# Altium PCB PCB-MB202-00.PcbDoc (part 1 of 7)
Units mm, origin at the board's own origin, x right, y up, seen from the top; angles counter-clockwise.
Board outline 300.6 x 146 mm, 2 copper layers (Top Layer, Bottom Layer); 493 components, 371 nets, 1609 pads, 6249 vias.
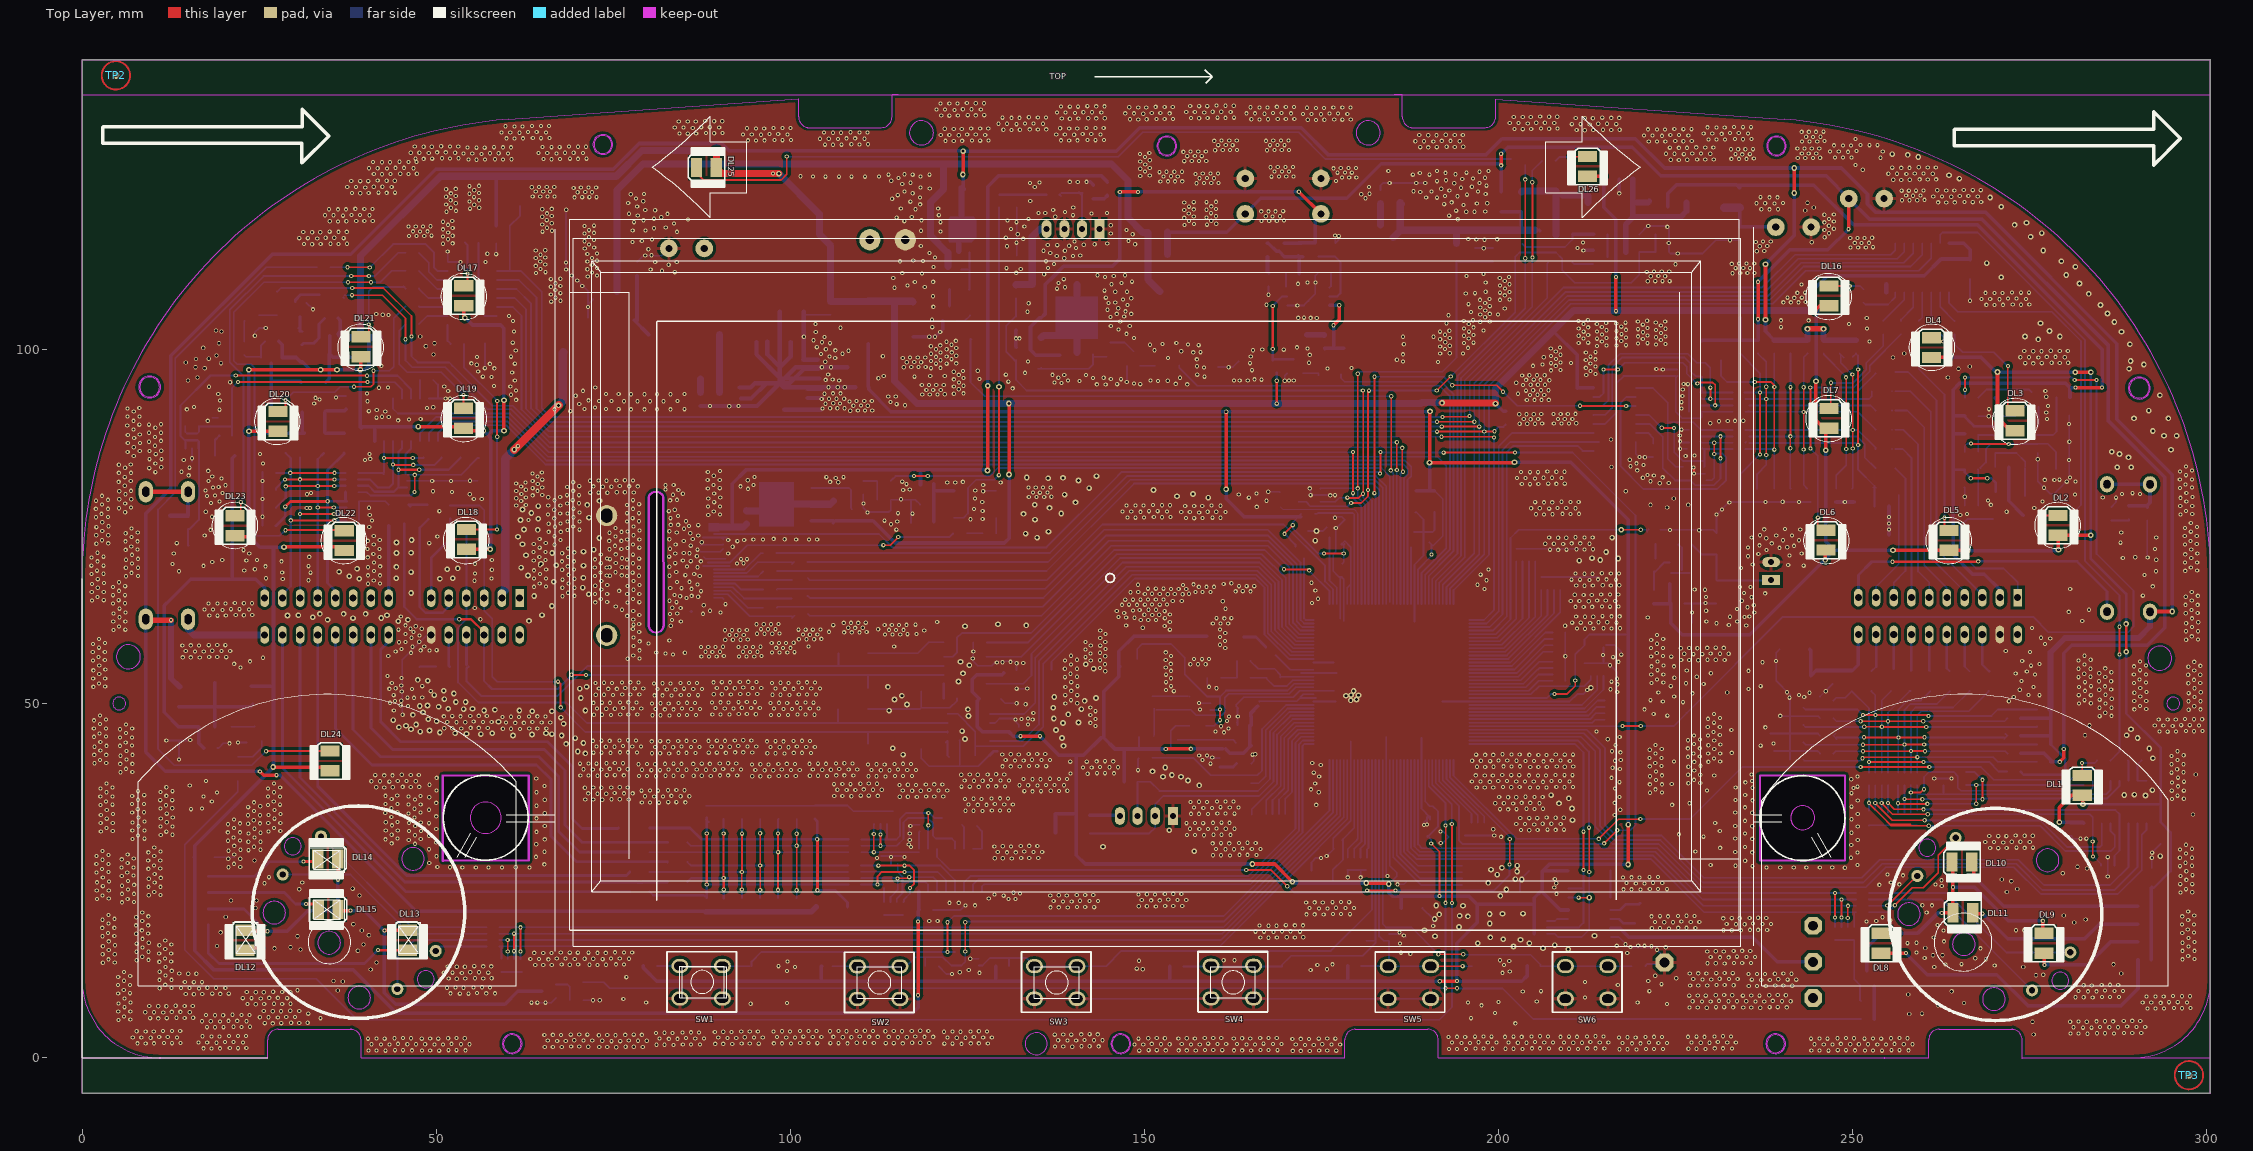
[diagram p0: Top Layer view]
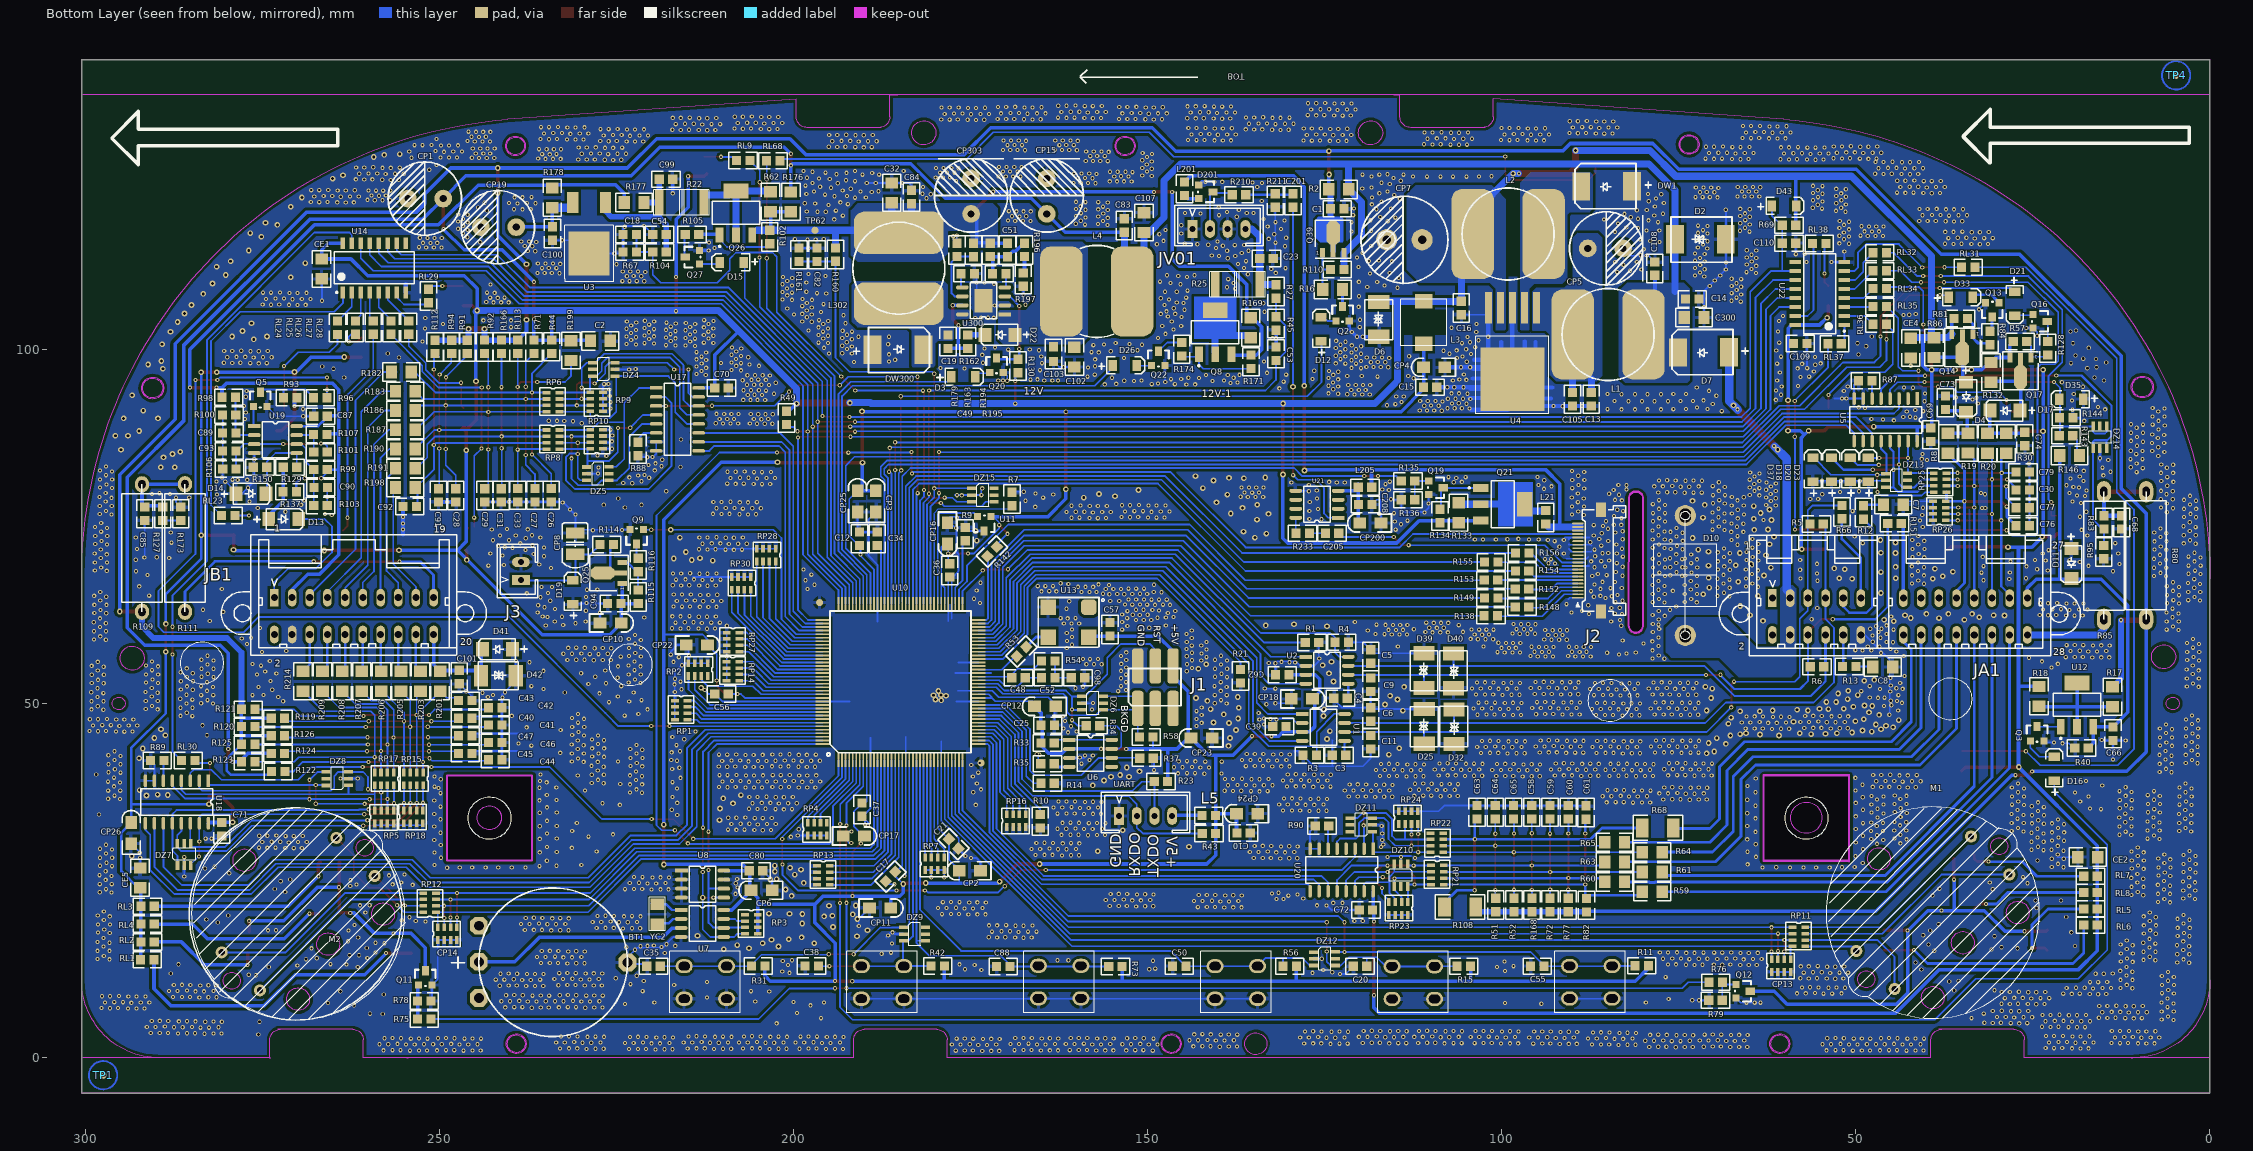
[diagram p1: Bottom Layer view, seen from below]

## Layer stack, top to bottom
Top Layer: signal copper 0.0356
Dielectric: dielectric 0.32, FR-4, Dk 4.8
Bottom Layer: signal copper 0.0356

## Board outline
0,-5 0,141 300.596,141 300.6,140.995 300.6,-5 0,-5
cut-out: 236.974,27.868 236.974,39.863 248.974,39.863 248.974,27.863
cut-out: 241.304,33.913 ccw(c243.004,33.913) 243.004,32.213 ccw(c243.004,33.913) 244.704,33.913 ccw(c243.004,33.913) 243.004,35.613 ccw(c243.004,33.913)
cut-out: 50.862,27.853 50.862,39.863 cw(c50.989,39.863) 50.996,39.99 cw(c51.004,39.863) 51.004,39.99 63.004,39.99 cw(c63.004,39.863) 63.082,39.964 cw(c63.019,39.853) 63.146,39.853 63.146,27.903 cw(c63.019,27.903) 63.129,27.839 cw(c63.004,27.863) 63.004,27.736 51.038,27.736 cw(c50.989,27.853)
cut-out: 79.932,61.123 79.932,79.033 cw(c80.059,79.033) 79.942,79.082 cw(c81.059,78.933) 82.176,79.083 cw(c82.059,79.033) 82.187,79.033 82.207,61.033 cw(c82.079,61.033) 82.207,61.033 cw(c82.079,61.033) 82.193,60.975 cw(c81.07,61.092) 79.942,61.073 cw(c80.059,61.123)

## Design rules (kind name [scope] priority, off if disabled: settings)
Clearance [All] p1: gap=0.25
HoleSize [All] p1: absolutevalues=TRUE maxlimit=5 minlimit=0.254 maxpercent=80.000 minpercent=20.000
PlaneConnect [All] p1: planeconnectstyle=Direct reliefexpansion=0.508 reliefentries=4 reliefconductorwidth=0.254 reliefairgap=0.254
PolygonConnect PolygonConnect_1 [InComponent('U300','DW300','DW1','U4','JA1','JB1','CP7','U3','J1','J2','U9','D8','D10')OR InNet('OUT1') OR InNet('OUT2')OR InNet('+B')] p1: connectstyle=Direct reliefconductorwidth=0.254 reliefentries=4 polygonreliefangle="90 Angle"
PolygonConnect VIA [IsVia] p2: connectstyle=Direct reliefconductorwidth=0.4 reliefentries=4 polygonreliefangle="90 Angle"
PolygonConnect [All] p3: connectstyle=Relief reliefconductorwidth=0.5 reliefentries=4 polygonreliefangle="90 Angle"
RoutingVias [All] p1: holewidth=0.3 width=0.6 viastyle="Through Hole" minholewidth=0.3 minwidth=0.6 maxholewidth=0.6 maxwidth=1
SilkscreenOverComponentPads [IsPad] p1: minsilkscreentomaskgap=0.254
SolderMaskExpansion [All] p1: expansion=0.102
TestPointUsage [All] p1 off: valid=0 allowmultiple=FALSE
Testpoint [(IsPad And (OnTopLayer Or OnBottomLayer))] p1: side=3 testpointundercomponent=TRUE minsize=1.016 maxsize=2.54 preferedsize=1.524 minholesize=0 maxholesize=1.016 preferedholesize=0.813 testpointgrid=0.025 style=297 order=0-112345678
Width [All] p1: maxlimit=3 minlimit=0.1 preferedwidth=0.2
21 further rules are at their usual default settings.

## Classes and differential pairs
component class "U_01 MCU": BT1 C3 C4 C5 C6 C7 C8 C9 C10 C11 C12 C17 C21 C25 C34 C36 C37 C39 C48 C52 C56 C57 C62 C80 C98 C201 C205 C208 CP2 CP3 CP6 CP11 CP12 CP13 CP14 CP16 CP17 CP18 CP22 CP23 CP24 CP25 CP200 D25 D32 D39 D40 D201 DZ6 J1 J2 JV01 L5 L201 L205 R1 R3 R4 R5 R6 R7 R9 R10 R12 R13 R14 R21 R23 R33 R34 R35 R37 R43 R53 R54 R58 R138 R142 R148 R149 R152 R153 R154 R155 R156 R210 R211 R233 RP1 RP2 RP3 RP4 RP7 RP11 RP12 RP13 RP14 RP16 RP27 RP28 RP30 RP? TP141 U1 U2 U6 U7 U8 U10 U11 U13 U21 UART YC2
component class "U_02 TFT&LED": C2 C13 C14 C15 C16 C18 C19 C23 C32 C49 C51 C53 C54 C82 C83 C84 C99 C100 C102 C103 C104 C105 C106 C107 C108 C109 C110 C300 CE1 CE2 CE3 CE4 CE5 CP1 CP4 CP5 CP7 CP15 CP19 CP303 D2 D3 D6 D7 D10 D15 D22 D26 D43 DL1 DL2 DL3 DL4 DL5 DL6 DL7 DL8 DL9 DL10 DL11 DL12 DL13 DL14 DL15 DL16 DL17 DL18 DL19 DL20 DL21 DL22 DL23 DL24 DL25 DL26 DW1 DW8 DW300 DZ15 L1 L2 L3 L4 L21 L302 Q8 Q11 Q12 Q19 Q20 Q21 Q22 Q26 Q27 R22 R25 R27 R45 R49 R62 R67 R69 R75 R76 R78 R79 R102 R104 R105 R130 R133 R134 R135 R136 R160 R161 R162 R163 R169 R171 R174 R176 R177 R178 R179 R194 R195 R196 R197 RL1 RL2 RL3 RL4 RL5 RL6 RL7 RL8 RL9 RL23 RL24 RL25 RL26 RL27 RL28 RL29 RL30 RL31 RL32 RL33 RL34 RL35 RL36 RL37 RL38 RL68 TP1 TP2 TP3 TP4 TP62 U3 U4 U14 U22 U300
component class "U_03 METER&PWM&KEY": C20 C35 C38 C50 C55 C66 C87 C88 C89 C90 C93 C94 CP8 CP10 D11 D13 D14 D16 D19 D35 DZ9 DZ12 J3 M1 M2 Q3 Q5 Q9 Q25 R11 R15 R17 R18 R31 R40 R42 R56 R73 R93 R96 R98 R99 R100 R101 R103 R106 R107 R114 R115 R116 R129 R137 R143 R144 R146 R150 SW1 SW2 SW3 SW4 SW5 SW6 U12 U19
component class "U_04 SWITCH": C1 C26 C27 C28 C29 C30 C31 C33 C40 C41 C42 C43 C44 C45 C46 C47 C58 C59 C60 C61 C63 C64 C65 C68 C69 C70 C71 C72 C73 C74 C76 C77 C79 C85 C91 C92 C101 CP26 D4 D12 D17 D18 D20 D21 D23 D33 D37 D41 D42 DZ4 DZ5 DZ7 DZ8 DZ10 DZ11 DZ13 DZ14 JA1 JB1 Q2 Q13 Q14 Q16 Q17 Q39 R2 R8 R16 R19 R20 R30 R44 R51 R52 R57 R59 R60 R61 R63 R64 R65 R66 R68 R71 R72 R77 R80 R81 R82 R83 R84 R85 R86 R87 R88 R89 R90 R91 R92 R94 R95 R108 R109 R110 R111 R112 R113 R119 R120 R121 R122 R123 R124 R125 R126 R127 R128 R132 R151 R166 R168 R173 R182 R183 R186 R187 R190 R191 R198 R199 R201 R203 R205 R206 R207 R208 R209 R214 RP5 RP6 RP8 RP9 RP10 RP15 RP17 RP18 RP21 RP22 RP23 RP24 RP25 RP26 U5 U17 U18 U20

## Components (designator, comment, footprint, x,y, rotation, side; value= is the part's Value field where it differs from the comment)
BT1 "" "Battery 3" 244.488,13.564 r180 bottom locked
C1 "104/50V" CR0805#1 124.206,119.916 r180 bottom
C2 "0.22uF/100V" CR1206 225.921,101.27 r0 bottom
C3 "47/50V" CR0805#1 122.044,42.743 r0 bottom
C4 "47/50V" CR0805#1 121.831,50.8 r0 bottom
C5 "47/50V" CR0805#1 118.514,57.648 r270 bottom
C6 "47/50V" CR0805#1 118.529,49.454 r270 bottom
C7 "684/50V" CR1206 46.114,78.13 r180 bottom
C8 "684/50V" CR1206 47.613,55.194 r180 bottom
C9 "47/50V" CR0805#1 118.529,51.74 r90 bottom
C10 "104/50V" CR0805#1 137.427,31.775 r180 bottom
C11 "47/50V" CR0805#1 118.529,43.612 r90 bottom
C12 "104/50V" CR0805#1 190.727,72.363 r90 bottom
C13 "0.01uF/100V" CR0805#1 87.364,92.075 r90 bottom
C14 "0.01uF/100V" CR0805#1 72.174,107.163 r0 bottom
C15 "104/50V" CR0805#1 111.087,94.717 r180 bottom
C16 "104/50V" CR0805#1 105.728,104.953 r90 bottom
C17 "104/50V" CR0805#1 185.687,26.289 r315 bottom
C18 "0.1uF/50V" CR0805#1 224.119,116.283 r180 bottom
C19 "0.1uF/50V" CR0805#1 178.219,102.108 r270 bottom
C20 "102/50V" CR0805#1 120.993,12.929 r180 bottom
C21 "104/50V" CR0805#1 176.746,29.566 r45 bottom
C23 "0.1uF/50V" CR0805#1 134.201,112.903 r180 bottom
C25 "104/50V" CR0805#1 165.097,46.983 r180 bottom
C26 "0.01uF/100V" CR0805#1 234.247,80.416 r270 bottom
C27 "0.01uF/100V" CR0805#1 236.57,80.416 r270 bottom
C28 "0.01uF/100V" CR0805#1 247.739,80.391 r270 bottom
C29 "0.01uF/100V" CR0805#1 243.653,80.393 r270 bottom
C30 "0.01uF/100V" CR0805#1 27.369,80.222 r180 bottom
C31 "0.01uF/100V" CR0805#1 241.33,80.393 r270 bottom
C32 "0.22uF/100V" CR1206 186.17,123.571 r270 bottom
C33 "0.01uF/100V" CR0805#1 239.002,80.416 r270 bottom
C34 "104/50V" CR0805#1 188.217,72.363 r90 bottom
C35 "102/50V" CR0805#1 220.764,12.954 r180 bottom
C36 "104/50V" CR0805#1 177.965,69.799 r270 bottom
C37 "104/50V" CR0805#1 190.361,36.017 r270 bottom
C38 "102/50V" CR0805#1 196.533,12.979 r0 bottom
C39 "104/50V" CR0805#1 132.372,46.812 r180 bottom
C40 "0.01uF/100V" CR0805#1 247.358,47.981 r180 bottom
C41 "0.01uF/100V" CR0805#1 243.116,47.007 r180 bottom
C42 "0.01uF/100V" CR0805#1 243.116,49.454 r180 bottom
C43 "0.01uF/100V" CR0805#1 247.358,50.47 r180 bottom
C44 "0.01uF/100V" CR0805#1 243.116,42.113 r180 bottom
C45 "0.01uF/100V" CR0805#1 247.358,43.002 r180 bottom
C46 "0.01uF/100V" CR0805#1 243.116,44.56 r180 bottom
C47 "0.01uF/100V" CR0805#1 247.358,45.491 r180 bottom
C48 "102/50V/NC" CR0805#1 169.217,53.693 r180 bottom
C49 "0.1uF/50V" CR0805#1 174.481,110.754 r0 bottom
C50 "102/50V" CR0805#1 146.52,12.954 r180 bottom
C51 "100pF/50V" CR0805#1 169.812,113.157 r90 bottom
C52 "104/50V" CR0805#1 165.017,53.693 r180 bottom
C53 "0.1uF/50V" CR0805#1 131.915,100.406 r270 bottom
C54 "0.1uF/50V" CR0805#1 218.029,116.283 r0 bottom
C55 "102/50V" CR0805#1 95.949,12.954 r180 bottom
C56 "104/50V" CR0805#1 209.258,51.384 r0 bottom
C57 "104/50V" CR0805#1 155.359,59.573 r90 bottom
C58 "0.01uF/100V" CR0805#1 95.767,33.731 r90 bottom
C59 "0.01uF/100V" CR0805#1 93.19,33.731 r90 bottom
C60 "0.01uF/100V" CR0805#1 90.612,33.731 r90 bottom
C61 "0.01uF/100V" CR0805#1 88.126,33.706 r90 bottom
C62 "0.1uF/50V" CR0805#1 130.061,54.102 r0 bottom
C63 "0.01uF/100V" CR0805#1 103.5,33.731 r90 bottom
C64 "0.01uF/100V" CR0805#1 100.922,33.731 r90 bottom
C65 "0.01uF/100V" CR0805#1 98.345,33.731 r90 bottom
C66 "0.01uF/100V" CR0805#1 13.678,46.736 r270 bottom
C68 "0.01uF/100V" CR0805#1 12.459,76.581 r270 bottom
C69 "104/50V" CR0805#1 39.434,87.046 r90 bottom
C70 "104/50V" CR0805#1 209.258,94.59 r0 bottom
C71 "104/50V" CR0805#1 280.785,31.344 r90 bottom
C72 "104/50V" CR0805#1 120.155,20.904 r180 bottom
C73 "0.01uF/100V" CR0805#1 37.351,93.472 r270 bottom
C74 "0.01uF/100V" CR0805#1 26.15,88.367 r270 bottom
C76 "0.01uF/100V" CR0805#1 27.369,75.159 r180 bottom
C77 "0.01uF/100V" CR0805#1 27.369,77.69 r180 bottom
C79 "0.01uF/100V" CR0805#1 27.369,82.753 r180 bottom
C80 "104/50V" CR0805#1 206.292,26.415 r180 bottom
C82 "0.1uF/50V" CR0805#1 196.711,114.376 r270 bottom
C83 "0.01uF/100V" CR0805#1 153.327,118.516 r270 bottom
C84 "0.1uF/50V" CR0805#1 183.376,122.53 r270 bottom
C85 "0.01uF/100V" CR0805#1 291.681,77.8 r270 bottom
C87 "104" CR0805#1 267.805,90.627 r180 bottom
C88 "102/50V" CR0805#1 171.361,12.903 r180 bottom
C89 "103/50V" CR0805#1 278.789,88.265 r0 bottom
C90 "103/50V" CR0805#1 267.759,80.555 r180 bottom
C91 "0.01uF/100V" CR0805#1 250.203,80.391 r270 bottom
C92 "0.01uF/100V" CR0805#1 253.302,77.876 r0 bottom
C93 "0.022uF/50V" CR0805#1 280.699,85.725 r180 bottom
C94 "104/50V" CR0805#1 226.302,64.186 r180 bottom
C98 "104/50V/NC" CR0805#1 160.817,53.693 r180 bottom
C99 "0.1uF/50V/NC" CR0805#1 217.107,124.104 r0 bottom
C100 "0.1uF/50V/NC" CR0805#1 234.099,117.373 r270 bottom
C101 "0.01uF/100V" CR0805#1 247.257,52.832 r90 bottom
C102 "0.22uF/100V" CR1206 160.389,97.587 r90 bottom
C103 "0.01uF/100V" CR0805#2 163.31,98.349 r90 bottom
C105 "0.01uF/100V" CR0805#1 90.031,92.075 r90 bottom
C107 "0.22uF/100V" CR1206 150.559,119.38 r270 bottom
C108 "0.01uF/100V" CR0805#1 78.397,112.42 r270 bottom
C109 "104/50V" CR0805#1 56.909,100.889 r0 bottom
C110 "104/50V" CR0805#1 60.389,115.062 r180 bottom
C201 "0.1uF/50V" CR0805#1 129.502,122.047 r270 bottom
C205 "0.1uF/50V" CR0805#1 124.93,74.092 r180 bottom
C208 "0.1uF/50V" CR0805#1 120.257,78.156 r180 bottom
C300 "0.22uF/100V" CR1206 71.463,104.572 r0 bottom
CE1 "10uF/50V" CR1206 266.688,112.827 r270 bottom
CE2 "10uF/50V" CR1206 15.863,28.346 r0 bottom
CE4 "10uF/50V" CR1206 42.253,101.651 r270 bottom
CE5 "10uF/50V" CR1206 292.316,24.028 r90 bottom
CP1 "100uF/50V" RB10 252.54,121.412 r0 bottom
CP2 "10u/16V" CE1206 176.645,26.441 r180 bottom
CP3 "10u/16V" CE1206 188.417,80.103 r270 bottom
CP4 "10u/16V" CE1206 111.062,97.536 r180 bottom
CP5 "100uF/50V" RB5-1 87.872,114.325 r180 bottom
CP6 "10u/16V" CE1206 206.058,23.673 r180 bottom
CP7 "2200u/16V" RB12.5 111.316,115.519 r0 bottom
CP8 "47u/25V" 10uF/25V 230.848,71.12 r90 bottom
CP10 "10u/16V" CE1206 224.371,61.417 r0 bottom
CP11 "10u/16V" CE1206 186.297,21.158 r0 bottom
CP12 "10u/16V" CE1206 166.017,49.643 r180 bottom
CP13 "0.01U" C4 61.913,12.141 r90 bottom
CP14 "0.01U" C4 250.279,16.637 r90 bottom
CP15 "100uF/50V" RB5-1 164.275,119.202 r90 bottom
CP16 "10u/16V" CE1206 178.296,72.593 r90 bottom
CP17 "10u/16V" CE1206 190.03,31.344 r0 bottom
CP18 "10u/16V" CE1206 126.734,50.698 r0 bottom
CP19 "100uF/50V/NC" RB5-1 239.205,117.323 r0 bottom
CP22 "10u/16V" CE1206 212.205,58.318 r0 bottom
CP23 "10u/16V" CE1206 143.904,45.187 r180 bottom
CP24 "10u/16V" CE1206 137.478,34.493 r180 bottom
CP25 "10u/16V" CE1206 190.996,80.086 r270 bottom
CP26 "10u/16V" CE1206 293.586,33.249 r270 bottom
CP200 "10u/16V" CE1206 120.079,75.54 r180 bottom
CP303 "100uF/50V" RB5-1 174.968,119.202 r90 bottom
D2 "SMDJ36CA" SMC-D 75.553,115.595 r0 bottom
D3 "BAV103" SOD-80C#1 174.384,96.19 r0 bottom
D4 "SK16" SMA 34.43,95.428 r90 bottom
D6 "SMBJ5.0CA" SMB-D 117.386,106.782 r0 bottom
D7 "GN3D" SMC 67.933,99.644 r180 bottom
D10 "5KP36CA" D-17 74.029,68.148 r270 bottom
D11 "GROJA" SMA 19.571,71.958 r90 bottom
D12 "BAV103" SOD-80C#1 125.54,104.623 r270 bottom
D13 "GN1J" SMA 274.155,76.098 r0 bottom
D14 "GN1J" SMA 278.778,79.68 r0 bottom
D15 "BAV103" SOD-80C#1 210.477,112.344 r180 bottom
D16 "BAV103" SOD-80C#1 21.984,42.52 r270 bottom
D17 "SK16" SMA 26.81,91.415 r180 bottom
D18 "5V1/0.5W" SOD-80C#1 53.455,84.76 r270 bottom
D19 "BAV103" SOD-80C#1 231.204,67.462 r270 bottom
D20 "5V1/0.5W" SOD-80C#1 50.788,84.76 r270 bottom
D21 "BAV103" SOD-80C#1 27.547,104.826 r90 bottom
D22 "GN1J/NC" SMA 168.771,102.108 r180 bottom
D23 "5V1/0.5W" SOD-80C#1 48.248,84.76 r270 bottom
D25 "SMBJ36CA" SMB-D 110.986,49.301 r0 bottom
D26 "BAV103" SOD-80C#1 151.549,97.79 r0 bottom
D32 "SMBJ36CA" SMB-D 106.769,44.272 r180 bottom
D33 "BAV103" SOD-80C#1 33.49,107.417 r0 bottom
D35 "5V1/0.5W" SOD-80C#2 21.273,93.04 r180 bottom
D37 "5V1/0.5W" SOD-80C#1 56.064,84.735 r270 bottom
D39 "SMBJ36CA" SMB-D 111.011,57.201 r0 bottom
D40 "SMBJ36CA" SMB-D 106.82,52.172 r180 bottom
D41 "GROJA" SMA 239.738,57.709 r180 bottom
D42 "5KP36CA" SMB-D 239.23,53.975 r90 bottom
D43 "BAV103" SOD-80C#1 58.458,120.32 r0 bottom
D201 "BAV99" SOT23 142.812,123.266 r270 bottom
DL1 "" LED1210 282.486,39.878 r270 top
DL2 "" LED1210 279.057,76.606 r270 top
DL3 "" LED1210 273.012,91.389 r270 top
DL4 "" LED1210 261.227,101.727 r270 top
DL5 "" LED1210 263.665,74.473 r270 top
DL6 "" LED1210 246.317,74.524 r270 top
DL7 "" LED1210 246.749,91.719 r270 top
DL8 "LED" LED1210 254.069,17.598 r270 top
DL9 "LED" LED1210 277.109,17.598 r270 top
DL10 "LED" LED1210 264.101,27.656 r0 top
DL11 "LED" LED1210 264.229,20.498 r0 top
DL12 "LED" LED1210 23.002,18.005 r270 top
DL13 "LED" LED1210 45.972,18.005 r270 top
DL14 "LED" LED1210 36.092,28.115 r180 top
DL15 "LED" LED1210 36.157,20.955 r180 top
DL16 "" LED1210 246.698,109.017 r270 top
DL17 "" LED1210 53.912,109.042 r270 top
DL18 "" LED1210 54.318,74.625 r270 top
DL19 "" LED1210 53.886,91.745 r270 top
DL20 "" LED1210 27.648,91.288 r270 top
DL21 "" LED1210 39.383,101.829 r270 top
DL22 "" LED1210 37.021,74.447 r270 top
DL23 "" LED1210 21.603,76.556 r270 top
DL24 "" LED1210 35.04,43.332 r270 top
DL25 "" LED1210 86.779,125.73 r0 top
DL26 "" LED1210 212.636,127.305 r270 top
DW1 "SK38" SMC 81.623,123.088 r180 bottom
DW300 "SK38" SMC 188.887,100 r0 bottom
DZ4 "TEVDOR7V05D4X" SOT-457 225.285,96.276 r90 bottom
DZ5 "TEVDOR7V05D4X" SOT-457 229.255,83.466 r270 bottom
DZ6 "TEVDOR7V05D4X" SOT-457 159.387,51.063 r270 bottom
DZ7 "TEVDOR7V05D4X" SOT-457 287.058,27.153 r180 bottom
DZ8 "TEVDOR7V05D4X" SOT-457 262.903,38.481 r90 bottom
DZ9 "TEVDOR7V05D4X" SOT-457 184.544,18.44 r270 bottom
DZ10 "TEVDOR7V05D4X" SOT-457 113.297,27.381 r0 bottom
DZ11 "TEVDOR7V05D4X" SOT-457 118.275,31.953 r90 bottom
DZ12 "TEVDOR7V05D4X" SOT-457 126.632,14.961 r270 bottom
DZ13 "TEVDOR7V05D4X" SOT-457 45.86,82.525 r270 bottom
DZ14 "TEVDOR7V05D4X" SOT-457 16.498,86.081 r180 bottom
DZ15 "TEVDOR7V05D4X" SOT-457 174.917,80.442 r270 bottom
J1 "CON6" "DIP 2X3 2.54mm" 151.437,51.103 r90 bottom
J2 "22PIN_0.5PTICH" FPC-22P 87.626,70.233 r90 bottom locked
J3 "CON2" "DIP 1X2 2.5mm" 238.544,67.513 r90 bottom
JA1 "CON28" "AMP DIP28" 62.014,73.787 r180 bottom
JB1 "CON20" "AMP DIP20" 273.368,64.999 r180 bottom locked
JV01 "CON4" "DIP 1X4 2.5mm" 143.724,117.072 r180 bottom
L1 "100uH/0.5Ω" Ind-R13-7-100 79.998,102.159 r0 bottom
L2 "100uH/0.5Ω" Ind-R13-7-100 94.12,116.357 r0 bottom
L3 "22uH/0.2Ω" SS0603 110.909,103.861 r270 bottom
L4 "33uH" Ind-R13-7-100 152.21,108.255 r0 bottom
L5 "BEAT" CR0805#1 142.355,34.239 r180 bottom
L21 "BEAT" CR0805#1 93.815,77.292 r270 bottom
L201 "BEAT" CR0805#1 144.818,123.698 r270 bottom
L205 "BEAT" CR0805#1 118.377,80.594 r0 bottom
L302 "33uH" Ind-R13-7-100 185.179,106.528 r90 bottom
M1 "METER" METER2 48.552,11.125 r135 bottom locked
M2 "METER" METER2 279.413,10.922 r135 bottom locked
Q2 "DTC143" SOT23 123.457,104.089 r180 bottom
Q3 "DTC143" SOT23 25.362,44.78 r180 bottom
Q5 "dtc143" SOT-23 276.314,91.973 r180 bottom
Q8 "NTF2955T1G" SOT-223#1 142.786,99.39 r180 bottom
Q9 "PMBT5551" SMT3 221.247,74.625 r0 bottom
Q11 "PMBT5551" SOT23 252.997,10.287 r180 bottom
Q12 "PMBT5551" SOT23 66.952,10.373 r270 bottom
Q13 "DTC143" SOT23 29.782,106.655 r0 bottom
Q14 "BCX53" SOT89#1 33.465,102.21 r0 bottom
Q16 "DTC143" SOT23 25.007,104.978 r270 bottom
Q17 "BCX53" SOT89#1 25.253,98.915 r0 bottom
Q19 "DTB143" SOT23 110.325,81.483 r270 bottom
Q20 "DTC143EK" SOT23 172.327,96.825 r180 bottom
Q21 "NTF2955T1G" SOT-223#2 102.985,80.493 r270 bottom
Q22 "DTC143EK" SOT23 149.467,97.765 r180 bottom
Q25 "BCX53" SOT89#2 224.219,66.98 r90 bottom
Q26 "NTF2955T1G" SOT-223#1 210.484,116.228 r180 bottom
Q27 "DTC143EK" SOT23 213.297,112.141 r90 bottom
Q39 "BCX53" SOT89#1 125.326,113.736 r180 bottom
R1 "10K" cr0805 127.775,58.674 r180 bottom
R2 "0/NC" CR1206 121.636,122.666 r0 bottom
R3 "10K" CR0805#1 126.2,42.748 r0 bottom
R4 "10K" CR0805#1 123.559,58.699 r180 bottom
R5 "120/NC" CR0805#1 56.503,75.389 r180 bottom
R6 "120/NC" CR0805#1 56.452,55.245 r180 bottom
R7 "10K" cr0805 169.177,79.883 r270 bottom
R8 "120" CR1206 36.995,88.214 r270 bottom
R9 "10K" CR0805#1 175.781,73.025 r90 bottom